# KiCad board Joystick 2-axis with pushbutton breakout_panel.kicad_pcb (continued)
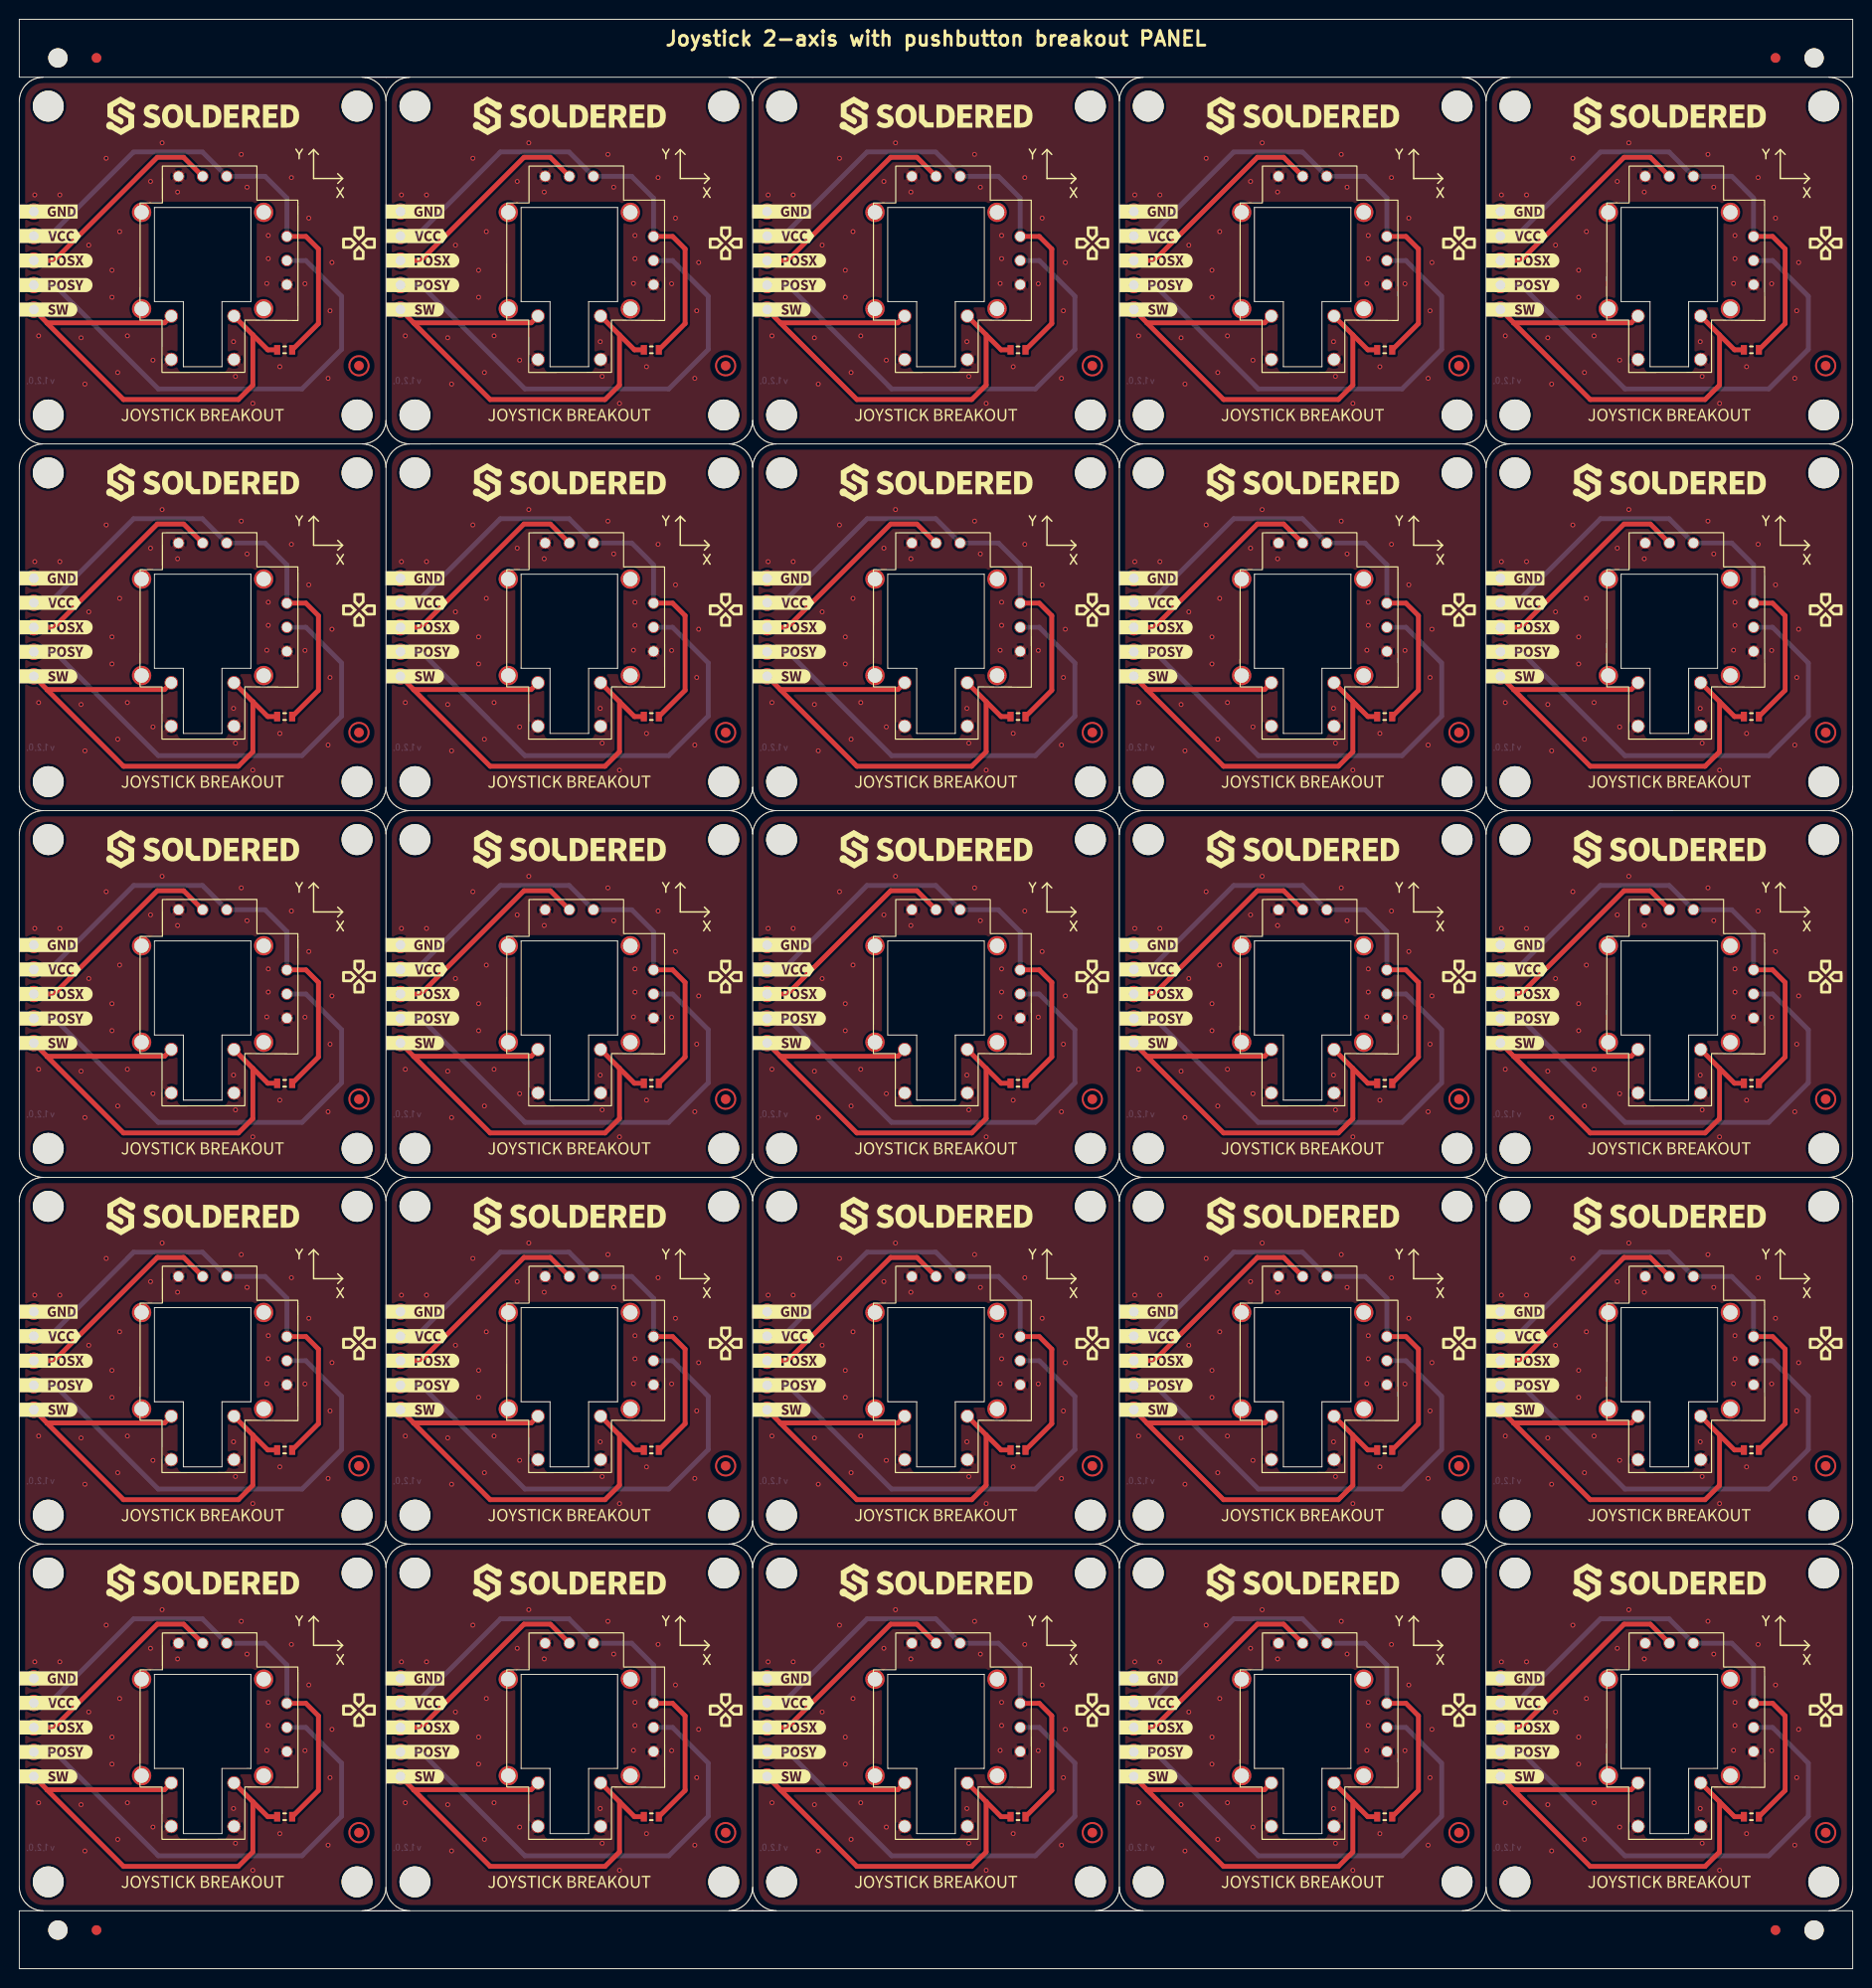
[diagram p0: board, top side]
## Routing (per net, layer and track width the routed paths; a pad name or vN(x,y) marks a point on that pad's centre or on a via; arc(x,y) is an arc through that point) (continued)
Board_13-VCC: length 51.2
  Top w0.5: K1#6.5 143.7,103.5 145,102.2 145,94.48 R1#21.2
  Bottom w0.5: K2#3.4 117.14,103.54 125.85,112.25 132.98,112.25 K1#6.6 139.47,109.73 141.73,107.47 K1#6.5
Board_14-GND:
  vias: v1(153.6,107.8) v1(154,93.2) v1(156.2,107.8) v1(158.4,93) v1(158.8,88.2) v1(159.2,102.6) v1(161,111.6) v1(161.6,100) v1(161.6,97.2) v1(162.2,89.4) v1(162.4,104) v1(163.2,93.2) v1(165.6,109.2) v1(165.85,90.68) v1(166.8,113.2) v1(168.4,108.1) v1(174.2,92.6) v1(174.4,89) v1(175,112) v1(175.6,108.6) v1(176.2,86.2) v1(177.65,98.63) v1(177.8,103.6) v1(177.8,101.2) v1(179,90) v1(180.2,109.6) v1(181.6,98.6) v1(182,105.4) v1(184,88.8) v1(184.2,95.8) v1(184.4,100.8)
Board_14-POSx: length 22.7
  Top w0.5: K2#17.3 155.6,101 166.3,111.7 169.03,111.7 K1#4.7
Board_14-POSy: length 50.8
  Bottom w0.5: K2#17.2 155.64,98.46 166.4,87.7 181.3,87.7 185.4,91.8 185.4,97.3 181.7,101 K1#4.4
Board_14-SW: length 51.5
  Top w0.5: 176.2,93.3 177.75,91.75 R1#20.1 ; 176.2,93.3 K1#4.2 ; 176.2,93.3 176.2,88.1 174.7,86.6 162.8,86.6 154.87,94.53 154.87,94.55 ; 154.87,94.55 K2#17.1 ; 154.87,94.55 167.05,94.55 K1#4.2
Board_14-VCC: length 51.2
  Top w0.5: R1#20.2 183,94.48 183,102.2 181.7,103.5 K1#4.5
  Bottom w0.5: K2#17.4 155.14,103.54 163.85,112.25 170.98,112.25 K1#4.6 177.47,109.73 179.73,107.47 K1#4.5
Board_15-GND:
  vias: v1(1.6,69.8) v1(2,55.2) v1(4.2,69.8) v1(6.4,55) v1(6.8,50.2) v1(7.2,64.6) v1(9,73.6) v1(9.6,62) v1(9.6,59.2) v1(10.2,51.4) v1(10.4,66) v1(11.2,55.2) v1(13.6,71.2) v1(13.85,52.68) v1(14.8,75.2) v1(16.4,70.1) v1(22.2,54.6) v1(22.4,51) v1(23,74) v1(23.6,70.6) v1(24.2,48.2) v1(25.65,60.63) v1(25.8,65.6) v1(25.8,63.2) v1(27,52) v1(28.2,71.6) v1(29.6,60.6) v1(30,67.4) v1(32,50.8) v1(32.2,57.8) v1(32.4,62.8)
Board_15-POSx: length 22.7
  Top w0.5: K1#13.7 17.03,73.7 14.3,73.7 3.6,63 K2#10.3
Board_15-POSy: length 50.8
  Bottom w0.5: K2#10.2 3.64,60.46 14.4,49.7 29.3,49.7 33.4,53.8 33.4,59.3 29.7,63 K1#13.4
Board_15-SW: length 51.5
  Top w0.5: 24.2,55.3 24.2,50.1 22.7,48.6 10.8,48.6 2.87,56.53 2.87,56.55 ; 24.2,55.3 K1#13.2 ; 24.2,55.3 25.75,53.75 R1#19.1 ; K2#10.1 2.87,56.55 ; 2.87,56.55 15.05,56.55 K1#13.2
Board_15-VCC: length 51.2
  Top w0.5: K1#13.5 29.7,65.5 31,64.2 31,56.48 R1#19.2
  Bottom w0.5: K2#10.4 3.14,65.54 11.85,74.25 18.98,74.25 K1#13.6 25.47,71.73 27.73,69.47 K1#13.5
Board_16-GND:
  vias: v1(39.6,69.8) v1(40,55.2) v1(42.2,69.8) v1(44.4,55) v1(44.8,50.2) v1(45.2,64.6) v1(47,73.6) v1(47.6,62) v1(47.6,59.2) v1(48.2,51.4) v1(48.4,66) v1(49.2,55.2) v1(51.6,71.2) v1(51.85,52.68) v1(52.8,75.2) v1(54.4,70.1) v1(60.2,54.6) v1(60.4,51) v1(61,74) v1(61.6,70.6) v1(62.2,48.2) v1(63.65,60.63) v1(63.8,65.6) v1(63.8,63.2) v1(65,52) v1(66.2,71.6) v1(67.6,60.6) v1(68,67.4) v1(70,50.8) v1(70.2,57.8) v1(70.4,62.8)
Board_16-POSx: length 22.7
  Top w0.5: K2#23.3 41.6,63 52.3,73.7 55.03,73.7 K1#8.7
Board_16-POSy: length 50.8
  Bottom w0.5: K2#23.2 41.64,60.46 52.4,49.7 67.3,49.7 71.4,53.8 71.4,59.3 67.7,63 K1#8.4
Board_16-SW: length 51.5
  Top w0.5: 62.2,55.3 K1#8.2 ; 62.2,55.3 63.75,53.75 R1#17.1 ; 62.2,55.3 62.2,50.1 60.7,48.6 48.8,48.6 40.87,56.53 40.87,56.55 ; K2#23.1 40.87,56.55 ; 40.87,56.55 53.05,56.55 K1#8.2
Board_16-VCC: length 51.2
  Top w0.5: K1#8.5 67.7,65.5 69,64.2 69,56.48 R1#17.2
  Bottom w0.5: K2#23.4 41.14,65.54 49.85,74.25 56.98,74.25 K1#8.6 63.47,71.73 65.73,69.47 K1#8.5
Board_17-GND:
  vias: v1(77.6,69.8) v1(78,55.2) v1(80.2,69.8) v1(82.4,55) v1(82.8,50.2) v1(83.2,64.6) v1(85,73.6) v1(85.6,62) v1(85.6,59.2) v1(86.2,51.4) v1(86.4,66) v1(87.2,55.2) v1(89.6,71.2) v1(89.85,52.68) v1(90.8,75.2) v1(92.4,70.1) v1(98.2,54.6) v1(98.4,51) v1(99,74) v1(99.6,70.6) v1(100.2,48.2) v1(101.65,60.63) v1(101.8,65.6) v1(101.8,63.2) v1(103,52) v1(104.2,71.6) v1(105.6,60.6) v1(106,67.4) v1(108,50.8) v1(108.2,57.8) v1(108.4,62.8)
Board_17-POSx: length 22.7
  Top w0.5: K1#10.7 93.03,73.7 90.3,73.7 79.6,63 K2#14.3
Board_17-POSy: length 50.8
  Bottom w0.5: K2#14.2 79.64,60.46 90.4,49.7 105.3,49.7 109.4,53.8 109.4,59.3 105.7,63 K1#10.4
Board_17-SW: length 51.5
  Top w0.5: 100.2,55.3 100.2,50.1 98.7,48.6 86.8,48.6 78.87,56.53 78.87,56.55 ; 100.2,55.3 K1#10.2 ; 100.2,55.3 101.75,53.75 R1#14.1 ; 78.87,56.55 91.05,56.55 K1#10.2 ; 78.87,56.55 K2#14.1
Board_17-VCC: length 51.2
  Top w0.5: K1#10.5 105.7,65.5 107,64.2 107,56.48 R1#14.2
  Bottom w0.5: K2#14.4 79.14,65.54 87.85,74.25 94.98,74.25 K1#10.6 101.47,71.73 103.73,69.47 K1#10.5
Board_18-GND:
  vias: v1(115.6,69.8) v1(116,55.2) v1(118.2,69.8) v1(120.4,55) v1(120.8,50.2) v1(121.2,64.6) v1(123,73.6) v1(123.6,62) v1(123.6,59.2) v1(124.2,51.4) v1(124.4,66) v1(125.2,55.2) v1(127.6,71.2) v1(127.85,52.68) v1(128.8,75.2) v1(130.4,70.1) v1(136.2,54.6) v1(136.4,51) v1(137,74) v1(137.6,70.6) v1(138.2,48.2) v1(139.65,60.63) v1(139.8,65.6) v1(139.8,63.2) v1(141,52) v1(142.2,71.6) v1(143.6,60.6) v1(144,67.4) v1(146,50.8) v1(146.2,57.8) v1(146.4,62.8)
Board_18-POSx: length 22.7
  Top w0.5: K1#22.7 131.03,73.7 128.3,73.7 117.6,63 K2#19.3
Board_18-POSy: length 50.8
  Bottom w0.5: K1#22.4 143.7,63 147.4,59.3 147.4,53.8 143.3,49.7 128.4,49.7 117.64,60.46 K2#19.2
Board_18-SW: length 51.5
  Top w0.5: 116.87,56.55 116.87,56.53 124.8,48.6 136.7,48.6 138.2,50.1 138.2,55.3 ; 116.87,56.55 129.05,56.55 K1#22.2 ; 116.87,56.55 K2#19.1 ; 138.2,55.3 K1#22.2 ; 138.2,55.3 139.75,53.75 R1#6.1
Board_18-VCC: length 51.2
  Top w0.5: R1#6.2 145,56.48 145,64.2 143.7,65.5 K1#22.5
  Bottom w0.5: K1#22.5 141.73,69.47 139.47,71.73 K1#22.6 132.98,74.25 125.85,74.25 117.14,65.54 K2#19.4
Board_19-GND:
  vias: v1(153.6,69.8) v1(154,55.2) v1(156.2,69.8) v1(158.4,55) v1(158.8,50.2) v1(159.2,64.6) v1(161,73.6) v1(161.6,62) v1(161.6,59.2) v1(162.2,51.4) v1(162.4,66) v1(163.2,55.2) v1(165.6,71.2) v1(165.85,52.68) v1(166.8,75.2) v1(168.4,70.1) v1(174.2,54.6) v1(174.4,51) v1(175,74) v1(175.6,70.6) v1(176.2,48.2) v1(177.65,60.63) v1(177.8,65.6) v1(177.8,63.2) v1(179,52) v1(180.2,71.6) v1(181.6,60.6) v1(182,67.4) v1(184,50.8) v1(184.2,57.8) v1(184.4,62.8)
Board_19-POSx: length 22.7
  Top w0.5: K1#7.7 169.03,73.7 166.3,73.7 155.6,63 K2#18.3
Board_19-POSy: length 50.8
  Bottom w0.5: K2#18.2 155.64,60.46 166.4,49.7 181.3,49.7 185.4,53.8 185.4,59.3 181.7,63 K1#7.4
Board_19-SW: length 51.5
  Top w0.5: K1#7.2 167.05,56.55 154.87,56.55 ; 154.87,56.55 154.87,56.53 162.8,48.6 174.7,48.6 176.2,50.1 176.2,55.3 ; 154.87,56.55 K2#18.1 ; 176.2,55.3 K1#7.2 ; 176.2,55.3 177.75,53.75 R1#18.1
Board_19-VCC: length 51.2
  Top w0.5: R1#18.2 183,56.48 183,64.2 181.7,65.5 K1#7.5
  Bottom w0.5: K2#18.4 155.14,65.54 163.85,74.25 170.98,74.25 K1#7.6 177.47,71.73 179.73,69.47 K1#7.5
Board_20-GND:
  vias: v1(1.6,31.8) v1(2,17.2) v1(4.2,31.8) v1(6.4,17) v1(6.8,12.2) v1(7.2,26.6) v1(9,35.6) v1(9.6,24) v1(9.6,21.2) v1(10.2,13.4) v1(10.4,28) v1(11.2,17.2) v1(13.6,33.2) v1(13.85,14.68) v1(14.8,37.2) v1(16.4,32.1) v1(22.2,16.6) v1(22.4,13) v1(23,36) v1(23.6,32.6) v1(24.2,10.2) v1(25.65,22.62) v1(25.8,27.6) v1(25.8,25.2) v1(27,14) v1(28.2,33.6) v1(29.6,22.6) v1(30,29.4) v1(32,12.8) v1(32.2,19.8) v1(32.4,24.8)
Board_20-POSx: length 22.7
  Top w0.5: K2#20.3 3.6,25 14.3,35.7 17.03,35.7 K1#11.7
Board_20-POSy: length 50.8
  Bottom w0.5: K1#11.4 29.7,25 33.4,21.3 33.4,15.8 29.3,11.7 14.4,11.7 3.64,22.46 K2#20.2
Board_20-SW: length 51.5
  Top w0.5: 24.2,17.3 24.2,12.1 22.7,10.6 10.8,10.6 2.87,18.53 2.87,18.55 ; 24.2,17.3 25.75,15.75 R1#2.1 ; 24.2,17.3 K1#11.2 ; 2.87,18.55 15.05,18.55 K1#11.2 ; 2.87,18.55 K2#20.1
Board_20-VCC: length 51.2
  Top w0.5: K1#11.5 29.7,27.5 31,26.2 31,18.47 R1#2.2
  Bottom w0.5: K2#20.4 3.14,27.54 11.85,36.25 18.98,36.25 K1#11.6 25.47,33.73 27.73,31.47 K1#11.5
Board_21-GND:
  vias: v1(39.6,31.8) v1(40,17.2) v1(42.2,31.8) v1(44.4,17) v1(44.8,12.2) v1(45.2,26.6) v1(47,35.6) v1(47.6,24) v1(47.6,21.2) v1(48.2,13.4) v1(48.4,28) v1(49.2,17.2) v1(51.6,33.2) v1(51.85,14.68) v1(52.8,37.2) v1(54.4,32.1) v1(60.2,16.6) v1(60.4,13) v1(61,36) v1(61.6,32.6) v1(62.2,10.2) v1(63.65,22.62) v1(63.8,27.6) v1(63.8,25.2) v1(65,14) v1(66.2,33.6) v1(67.6,22.6) v1(68,29.4) v1(70,12.8) v1(70.2,19.8) v1(70.4,24.8)
Board_21-POSx: length 22.7
  Top w0.5: K1.7 55.03,35.7 52.3,35.7 41.6,25 K2#16.3
Board_21-POSy: length 50.8
  Bottom w0.5: K1.4 67.7,25 71.4,21.3 71.4,15.8 67.3,11.7 52.4,11.7 41.64,22.46 K2#16.2
Board_21-SW: length 51.5
  Top w0.5: 40.87,18.55 53.05,18.55 K1.2 ; 40.87,18.55 40.87,18.53 48.8,10.6 60.7,10.6 62.2,12.1 62.2,17.3 ; 40.87,18.55 K2#16.1 ; 62.2,17.3 K1.2 ; 62.2,17.3 63.75,15.75 R1#4.1
Board_21-VCC: length 51.2
  Top w0.5: R1#4.2 69,18.47 69,26.2 67.7,27.5 K1.5
  Bottom w0.5: K1.5 65.73,31.47 63.47,33.73 K1.6 56.98,36.25 49.85,36.25 41.14,27.54 K2#16.4
Board_22-GND:
  vias: v1(77.6,31.8) v1(78,17.2) v1(80.2,31.8) v1(82.4,17) v1(82.8,12.2) v1(83.2,26.6) v1(85,35.6) v1(85.6,24) v1(85.6,21.2) v1(86.2,13.4) v1(86.4,28) v1(87.2,17.2) v1(89.6,33.2) v1(89.85,14.68) v1(90.8,37.2) v1(92.4,32.1) v1(98.2,16.6) v1(98.4,13) v1(99,36) v1(99.6,32.6) v1(100.2,10.2) v1(101.65,22.62) v1(101.8,27.6) v1(101.8,25.2) v1(103,14) v1(104.2,33.6) v1(105.6,22.6) v1(106,29.4) v1(108,12.8) v1(108.2,19.8) v1(108.4,24.8)
Board_22-POSx: length 22.7
  Top w0.5: K1#18.7 93.03,35.7 90.3,35.7 79.6,25 K2#5.3
Board_22-POSy: length 50.8
  Bottom w0.5: K2#5.2 79.64,22.46 90.4,11.7 105.3,11.7 109.4,15.8 109.4,21.3 105.7,25 K1#18.4
Board_22-SW: length 51.5
  Top w0.5: R1#13.1 101.75,15.75 100.2,17.3 ; K1#18.2 91.05,18.55 78.87,18.55 ; 78.87,18.55 K2#5.1 ; 78.87,18.55 78.87,18.53 86.8,10.6 98.7,10.6 100.2,12.1 100.2,17.3 ; 100.2,17.3 K1#18.2
Board_22-VCC: length 51.2
  Top w0.5: R1#13.2 107,18.47 107,26.2 105.7,27.5 K1#18.5
  Bottom w0.5: K1#18.5 103.73,31.47 101.47,33.73 K1#18.6 94.98,36.25 87.85,36.25 79.14,27.54 K2#5.4
Board_23-GND:
  vias: v1(115.6,31.8) v1(116,17.2) v1(118.2,31.8) v1(120.4,17) v1(120.8,12.2) v1(121.2,26.6) v1(123,35.6) v1(123.6,24) v1(123.6,21.2) v1(124.2,13.4) v1(124.4,28) v1(125.2,17.2) v1(127.6,33.2) v1(127.85,14.68) v1(128.8,37.2) v1(130.4,32.1) v1(136.2,16.6) v1(136.4,13) v1(137,36) v1(137.6,32.6) v1(138.2,10.2) v1(139.65,22.62) v1(139.8,27.6) v1(139.8,25.2) v1(141,14) v1(142.2,33.6) v1(143.6,22.6) v1(144,29.4) v1(146,12.8) v1(146.2,19.8) v1(146.4,24.8)
Board_23-POSx: length 22.7
  Top w0.5: K1#21.7 131.03,35.7 128.3,35.7 117.6,25 K2#7.3
Board_23-POSy: length 50.8
  Bottom w0.5: K2#7.2 117.64,22.46 128.4,11.7 143.3,11.7 147.4,15.8 147.4,21.3 143.7,25 K1#21.4
Board_23-SW: length 51.5
  Top w0.5: 116.87,18.55 116.87,18.53 124.8,10.6 136.7,10.6 138.2,12.1 138.2,17.3 ; 116.87,18.55 129.05,18.55 K1#21.2 ; 116.87,18.55 K2#7.1 ; R1#23.1 139.75,15.75 138.2,17.3 ; 138.2,17.3 K1#21.2
Board_23-VCC: length 51.2
  Top w0.5: K1#21.5 143.7,27.5 145,26.2 145,18.47 R1#23.2
  Bottom w0.5: K2#7.4 117.14,27.54 125.85,36.25 132.98,36.25 K1#21.6 139.47,33.73 141.73,31.47 K1#21.5
Board_24-GND:
  vias: v1(153.6,31.8) v1(154,17.2) v1(156.2,31.8) v1(158.4,17) v1(158.8,12.2) v1(159.2,26.6) v1(161,35.6) v1(161.6,24) v1(161.6,21.2) v1(162.2,13.4) v1(162.4,28) v1(163.2,17.2) v1(165.6,33.2) v1(165.85,14.68) v1(166.8,37.2) v1(168.4,32.1) v1(174.2,16.6) v1(174.4,13) v1(175,36) v1(175.6,32.6) v1(176.2,10.2) v1(177.65,22.62) v1(177.8,27.6) v1(177.8,25.2) v1(179,14) v1(180.2,33.6) v1(181.6,22.6) v1(182,29.4) v1(184,12.8) v1(184.2,19.8) v1(184.4,24.8)
Board_24-POSx: length 22.7
  Top w0.5: K1#12.7 169.03,35.7 166.3,35.7 155.6,25 K2#8.3
Board_24-POSy: length 50.8
  Bottom w0.5: K1#12.4 181.7,25 185.4,21.3 185.4,15.8 181.3,11.7 166.4,11.7 155.64,22.46 K2#8.2
Board_24-SW: length 51.5
  Top w0.5: 154.87,18.55 167.05,18.55 K1#12.2 ; 154.87,18.55 K2#8.1 ; 154.87,18.55 154.87,18.53 162.8,10.6 174.7,10.6 176.2,12.1 176.2,17.3 ; 176.2,17.3 177.75,15.75 R1#22.1 ; 176.2,17.3 K1#12.2
Board_24-VCC: length 51.2
  Top w0.5: K1#12.5 181.7,27.5 183,26.2 183,18.47 R1#22.2
  Bottom w0.5: K1#12.5 179.73,31.47 177.47,33.73 K1#12.6 170.98,36.25 163.85,36.25 155.14,27.54 K2#8.4

## Copper pours and planes (outline as drawn; the poured copper is in the pictures)
Board_0-GND on Top, Bottom: 38,158 0,158 0,196 38,196
Board_1-GND on Top, Bottom: 76,158 38,158 38,196 76,196
Board_2-GND on Top, Bottom: 114,158 76,158 76,196 114,196
Board_3-GND on Top, Bottom: 152,158 114,158 114,196 152,196
Board_4-GND on Top, Bottom: 190,158 152,158 152,196 190,196
Board_5-GND on Top, Bottom: 38,120 0,120 0,158 38,158
Board_6-GND on Top, Bottom: 76,120 38,120 38,158 76,158
Board_7-GND on Top, Bottom: 114,120 76,120 76,158 114,158
Board_8-GND on Top, Bottom: 152,120 114,120 114,158 152,158
Board_9-GND on Top, Bottom: 190,120 152,120 152,158 190,158
Board_10-GND on Top, Bottom: 38,82 0,82 0,120 38,120
Board_11-GND on Top, Bottom: 76,82 38,82 38,120 76,120
Board_12-GND on Top, Bottom: 114,82 76,82 76,120 114,120
Board_13-GND on Top, Bottom: 152,82 114,82 114,120 152,120
Board_14-GND on Top, Bottom: 190,82 152,82 152,120 190,120
Board_15-GND on Top, Bottom: 38,44 0,44 0,82 38,82
Board_16-GND on Top, Bottom: 76,44 38,44 38,82 76,82
Board_17-GND on Top, Bottom: 114,44 76,44 76,82 114,82
Board_18-GND on Top, Bottom: 152,44 114,44 114,82 152,82
Board_19-GND on Top, Bottom: 190,44 152,44 152,82 190,82
Board_20-GND on Top, Bottom: 38,6 0,6 0,44 38,44
Board_21-GND on Top, Bottom: 76,6 38,6 38,44 76,44
Board_22-GND on Top, Bottom: 114,6 76,6 76,44 114,44
Board_23-GND on Top, Bottom: 152,6 114,6 114,44 152,44
Board_24-GND on Top, Bottom: 190,6 152,6 152,44 190,44

## Text on the board
F.Silkscreen: Y | X | Joystick 2-axis with pushbutton breakout PANEL
User.8: V-CUT
